# Altium PCB ECO_mthbrd_REV.2A0.PcbDoc
Units mm, origin at the board's own origin, x right, y up, seen from the top; angles counter-clockwise.
Board outline 78 x 25 mm, 4 copper layers (Top Layer, GND, POWER, Bottom Layer), stack 0.603 mm thick; 84 components, 82 nets, 302 pads, 143 vias.
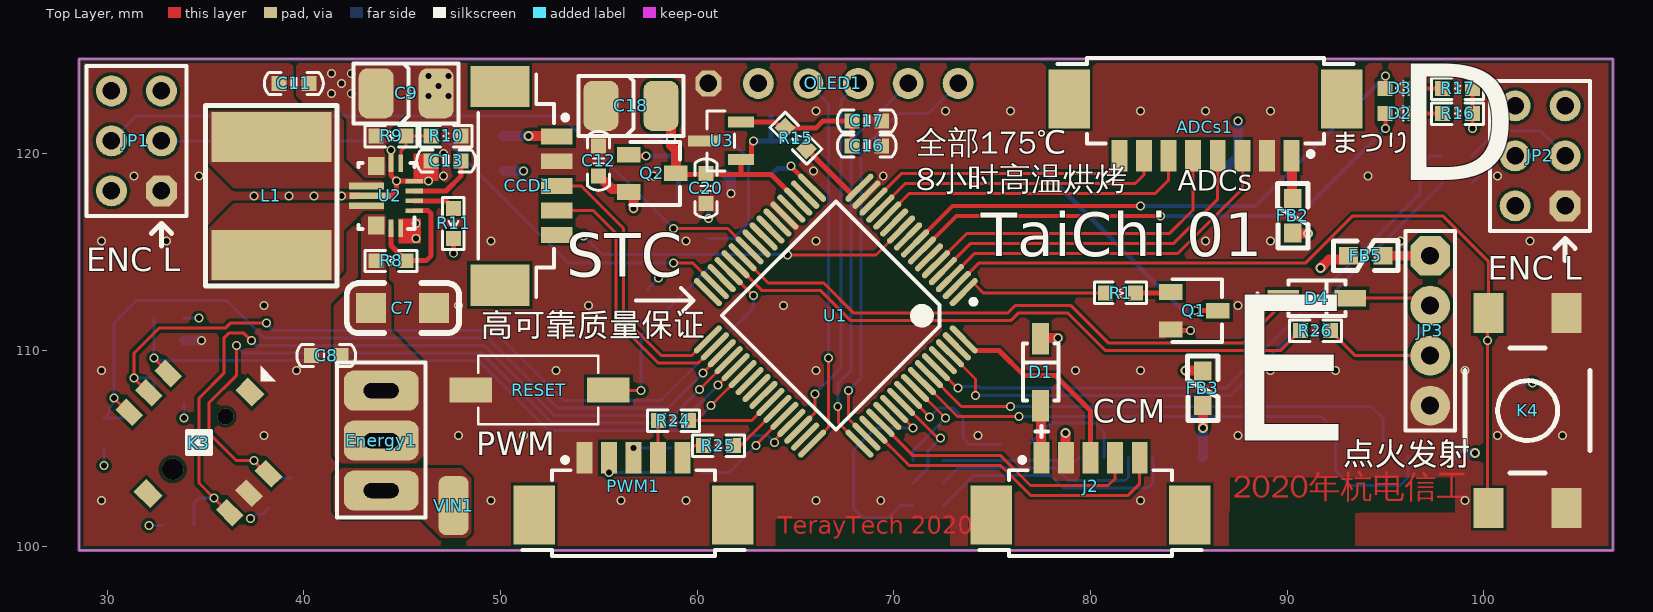
[diagram p0: Top Layer view]
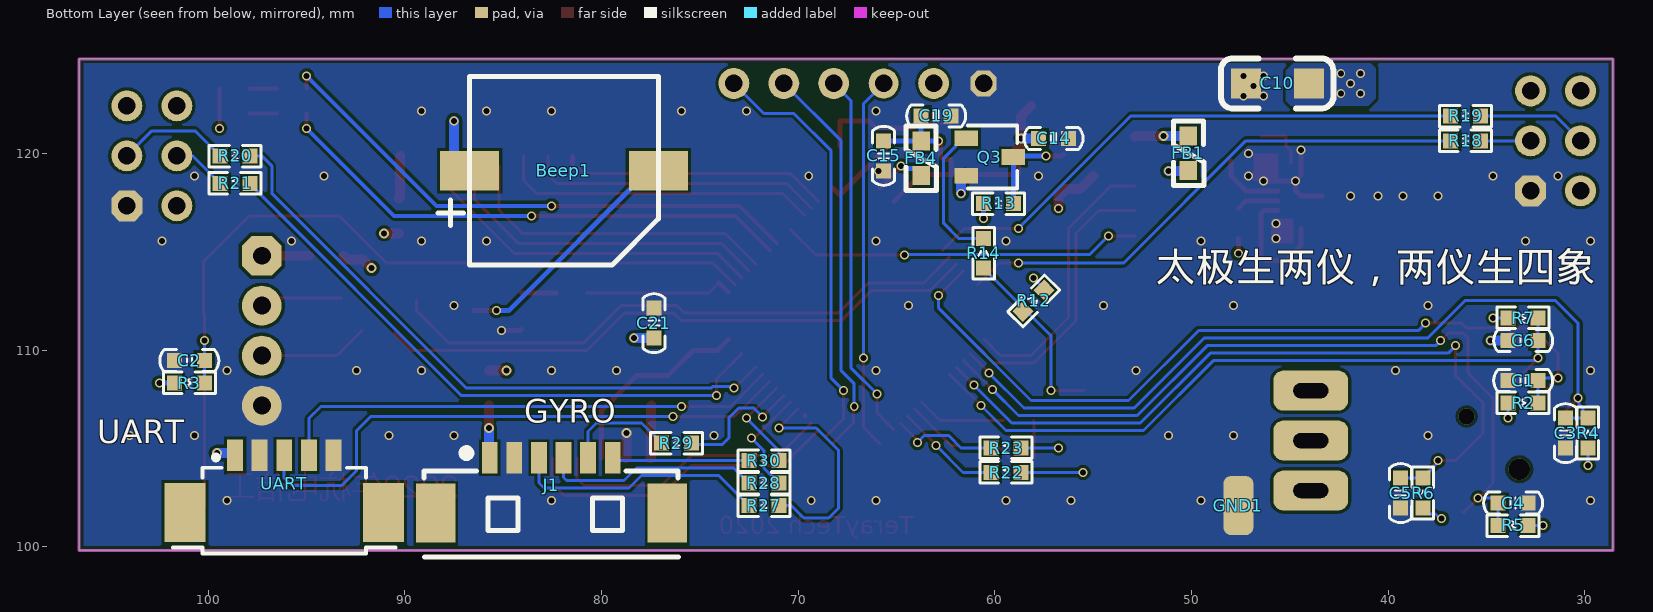
[diagram p1: Bottom Layer view, seen from below]
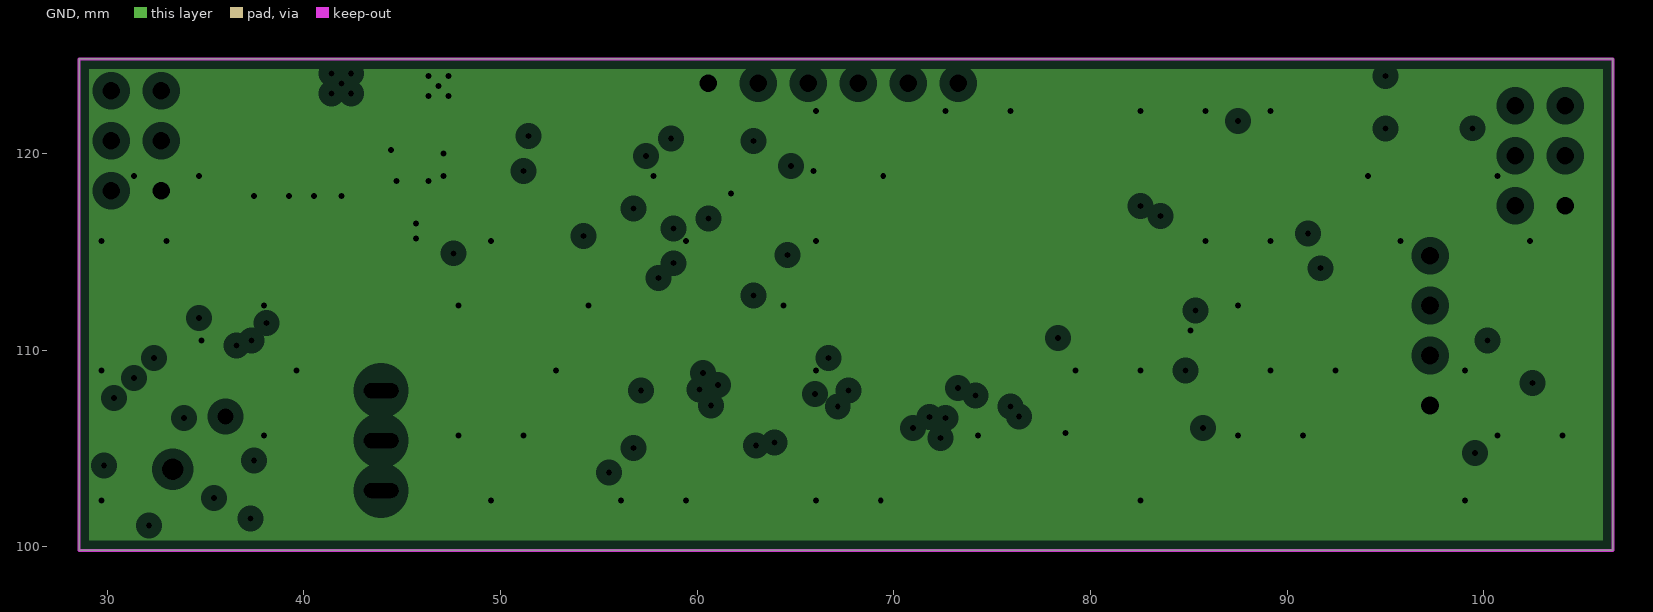
[diagram p2: GND, clearances drawn from the general rule]
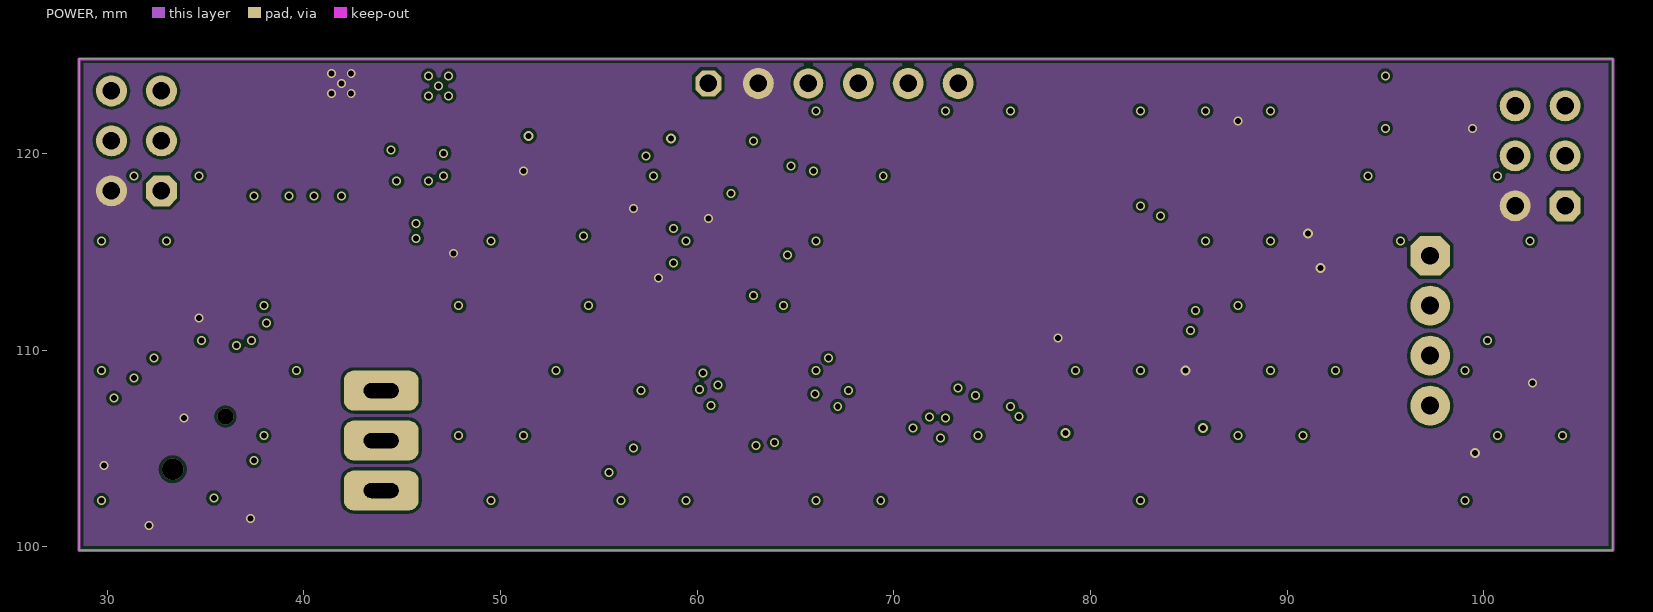
[diagram p3: POWER]
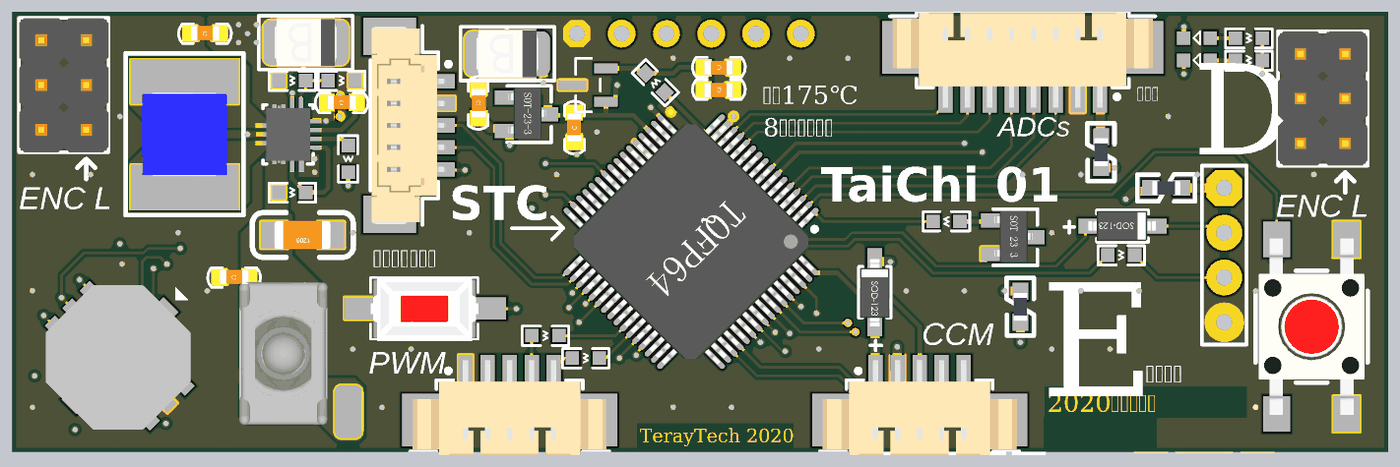
[diagram p4: 3D render of the assembled board from above, using the file's embedded part models]

## Layer stack, top to bottom
Top Solder: solder mask 0.0102, Solder Resist, Dk 3.5
Top Layer: signal copper 0.0356
Dielectric 2: prepreg 0.0711, PP-006, Dk 4.1
GND: plane copper 0.035, net GND
Dielectric 1: dielectric 0.32, FR-4, Dk 4.8
POWER: signal copper 0.035
Dielectric 3: prepreg 0.0711, PP-006, Dk 4.1
Bottom Layer: signal copper 0.0356
Bottom Solder: solder mask 0.0102, Solder Resist, Dk 3.5

## Board outline
28.575,99.822 106.575,99.822 106.575,124.822 28.575,124.822

## Design rules (kind name [scope] priority, off if disabled: settings)
Clearance [All] p1: gap=0.152 ignorepadtopadclearanceinfootprint=TRUE except(0: Arc-Hole Track-Hole SMDPad-Hole THPad-Hole Via-Hole Fill-Hole Poly-Hole Region-Hole Text-Hole)
ComponentClearance [All] p1 off: gap=0.254 collisioncheckmode=3 verticalgap=0.254 showdistances=FALSE
Height [All] p1 off: minheight=0 maxheight=25.4 prefheight=12.7
PlaneClearance [All] p1: clearance=0.508
PlaneConnect [All] p1: planeconnectstyle=Direct reliefexpansion=0.508 reliefentries=4 reliefconductorwidth=0.254 reliefairgap=0.254
PolygonConnect [All] p1: connectstyle=Direct reliefconductorwidth=0.254 reliefentries=4 polygonreliefangle="90 Angle" airgapwidth=0.254
RoutingVias [All] p1: holewidth=0.305 width=0.457 viastyle="Through Hole" minholewidth=0.305 minwidth=0.457 maxholewidth=0.711 maxwidth=1.27
SolderMaskExpansion [All] p1: expansion=0.102 istentingtop=FALSE
Width [All] p1: maxlimit=0.762 minlimit=0.152 preferedwidth=0.254 midlayer1_minwidth=0.254 midlayer1_maxwidth=0.254 minimp=50.000000 maximp=50.000000 favimp=50.000000
26 further rules are at their usual default settings.

## Components (designator, comment, footprint, x,y, rotation, side; value= is the part's Value field where it differs from the comment)
ADCs1 "HEADER-8PIN" HEADER_8P_1.25_RT 85.852,122.682 r180 top
Beep1 "Buzzer" BUZZER_9.6*9.6*5mm 81.915,119.126 r0 bottom
C1 "0.1uF" 0603_C 33.147,108.458 r0 bottom value=104
C2 "0.1uF" 0603_C 100.965,109.474 r0 bottom value=104
C3 "0.1uF" 0603_C 30.988,105.791 r270 bottom value=104
C4 "0.1uF" 0603_C 33.655,102.235 r180 bottom value=104
C5 "0.1uF" 0603_C 39.37,102.743 r270 bottom value=104
C6 "0.1uF" 0603_C 33.147,110.49 r0 bottom value=104
C7 "1uF" C1206 46.634,112.141 r180 top value=104
C8 "1uF" 0603_C 41.148,109.728 r0 top value=104
C9 "22uF" CAPC3528B 45.466,122.809 r180 top value=104
C10 "22uF" C1206 47.244,123.571 r180 bottom value=104
C11 "2.2uF" 0603_C 39.497,123.571 r0 top value=104
C12 "0.01uF" 0603_C 54.991,119.634 r270 top value=104
C13 "100nF" 0603_C 47.244,119.634 r0 top value=104
C14 "2.2uF" 0603_C 57.023,120.777 r180 bottom value=104
C15 "0.01uF" 0603_C 65.659,119.888 r270 bottom value=104
C16 "0.01uF" 0603_C 68.631,120.396 r180 top value=104
C17 "2.2uF" 0603_C 68.631,121.666 r180 top value=104
C18 "10uF, 25V TypeB" CAPC3528B 56.896,122.174 r180 top value=104
C19 "2.2uF" 0603_C 62.992,121.92 r0 bottom value=104
C20 "0.01uF" 0603_C 60.452,118.237 r90 top value=104
C21 "0.1uF" 0603_C 77.343,111.379 r90 bottom value=104
CCD1 "HEADER-5PIN" HEADER_5P_1.25_up 50.8,118.364 r270 top locked
D1 "1N5819" SOD123 77.47,107.188 r270 top
D2 "LED" 0603_LED 95.758,122.047 r180 top
D3 "LED" 0603_LED 95.758,123.317 r180 top
D4 "1N5819" SOD123 89.818,112.649 r180 top
Energy1 "Tolggle_swith" "TOGGLE SWICH STAND" 43.942,105.41 r90 top
FB1 "120R 100MHZ" FB0603 50.165,120.015 r90 bottom
FB2 "120R 100MHZ" FB0603 90.297,116.84 r270 top
FB3 "120R 100MHZ" FB0603 85.725,108.064 r270 top
FB4 "120R 100MHZ" FB0603 63.754,119.761 r90 bottom
FB5 "120R 100MHZ" FB0603 93.993,114.808 r180 top
GND1 "PAD" PAD 47.625,102.108 r90 bottom
J1 "6PIN" "MX 1.25-WS-6P" 82.55,101.727 r180 bottom
J2 "HEADER-5PIN" HEADER_5P_1.25_RT 80.01,101.727 r0 top
JP1 "header" header2X3 32.766,118.11 r90 top
JP2 "header" header2X3 104.14,117.348 r90 top
JP3 "header" header4 97.282,114.808 r270 top
K3 "TSW_5" TSW-10 34.671,105.283 r0 top locked
K4 "KEY" 贴片复位开关 102.235,106.934 r90 top
L1 "1.5uH" "L 5x5" 38.354,117.856 r180 top
OLED1 "header" "0.96寸OLED模块 - 2" 60.579,123.571 r0 top locked
PWM1 "HEADER-5PIN" HEADER_5P_1.25_RT 56.769,101.727 r0 top
Q1 "NPN2" SOT-23-3 86.36,114.221 r270 top
Q2 "AO3401" SOT-23-3 58.801,121.206 r270 top
Q3 "NPN S8050" SOT-23-3 59.195,122.034 r270 bottom
R1 "1K" 0603_R 81.534,112.903 r0 top
R2 "10K" 0603_R 33.147,107.315 r180 bottom value=1K
R3 "10K" 0603_R 100.965,108.331 r180 bottom value=1K
R4 "10K" 0603_R 29.845,105.791 r90 bottom value=1K
R5 "10K" 0603_R 33.655,101.092 r0 bottom value=1K
R6 "10K" 0603_R 38.227,102.743 r90 bottom value=1K
R7 "10K" 0603_R 33.147,111.633 r180 bottom value=1K
R8 "10KΩ" 0603_R 44.45,114.554 r180 top value=1K
R9 "470kΩ" 0603_R 44.45,120.904 r180 top value=1K
R10 "150kΩ" 0603_R 47.244,120.904 r180 top value=1K
R11 "100KΩ" 0603_R 47.625,116.459 r90 top value=1K
R12 "10K" 0603_R 58.039,112.522 r315 bottom value=1K
R13 "10K" 0603_R 59.817,117.475 r0 bottom value=1K
R14 "1K" 0603_R 60.579,114.935 r270 bottom
R15 "OR" 0603_R 65.024,120.777 r315 top value=1K
R16 "1K" 0603_R 98.679,122.047 r180 top
R17 "1K" 0603_R 98.679,123.317 r180 top
R18 "100" 0603_R 36.068,120.65 r180 bottom value=1K
R19 "100" 0603_R 36.068,121.92 r0 bottom value=1K
R20 "100" 0603_R 98.639,119.888 r0 bottom value=1K
R21 "100" 0603_R 98.639,118.491 r180 bottom value=1K
R22 "100" 0603_R 59.436,103.784 r180 bottom value=1K
R23 "100" 0603_R 59.436,105.029 r180 bottom value=1K
R24 "100" 0603_R 58.801,106.426 r180 top value=1K
R25 "100" 0603_R 61.087,105.156 r180 top value=1K
R26 "330" 0603_R 91.44,110.998 r180 top value=1K
R27 "100" 0603_R 71.755,102.108 r0 bottom value=1K
R28 "100" 0603_R 71.755,103.251 r0 bottom value=1K
R29 "100" 0603_R 76.2,105.283 r0 bottom value=1K
R30 "100" 0603_R 71.755,104.394 r0 bottom value=1K
RESET "KEY" KEY_2 52.197,107.569 r180 top
U1 "STC8A8K64S4A12" TQFP64 67.056,111.76 r225 top locked
U2 "TPS63070RNMR" RNM0015A 44.213,117.853 r180 top value=Value
U3 "REF3033" DBZ3 61.214,120.65 r90 top value=Value
UART "HEADER-5PIN" HEADER_5P_1.25_RT 96.139,101.854 r180 bottom
VIN1 "PAD" PAD 47.625,102.108 r90 top

## Footprints (in the part's own frame and the unit in brackets; to place one, negate y for a bottom-side part, rotate by r counter-clockwise, add the part's x,y. Pads: shape width x height; smd on the part's side, far side on the other; paste and mask are expansions set on the pad)
"0.96寸OLED模块 - 2" [mil]
  oct 52x52 hole 35: 1(0,0)
  round 62 hole 35: 2(100,0) 4(300,0) 5(400,0) 6(500,0)
  round 60 hole 35: 3(200,0)
0603_C [mil] "Capacitor"
  rect 30x30 smd: 1(-30,0) 2(30,0)
  silkscreen extent -59,-22 59,22, body extent -51,-18 52,21, height 35
0603_LED [mil]
  rect 30x30 smd: 1(-29,0) 2(31,0)
  silkscreen extent -6,-15 9,14, body extent -31,-16 31,16, height 24
0603_R [mil]
  rect 30x30 smd: 1(-30,0) 2(30,0)
  silkscreen extent -52,-21 52,22, body extent -34,-19 34,19, height 39
BUZZER_9.6*9.6*5mm [mm]
  rect 3x2 smd: 1(4.8,0) 2(-4.8,0)
  silkscreen extent -4.8,-4.8 6.41,4.8, body extent -4.97,-4.8 5.03,4.8, height 5
C1206 [mil] "3216/A型"
  rect 60x60 smd: 1(0,0) 2(126,0)
  silkscreen extent -50,-50 175,50, body extent 0,-31 126,32, height 39
CAPC3528B [mil]
  rrect50% 70x100 smd: 1(-50,-10) 2(70,-10)
  silkscreen extent -95,-70 115,50, body extent -59,-65 79,45, height 75
DBZ3 [mil]
  rect 22x52 smd: 1(-37.4,-40) 2(37.4,-40)
  rect 22x62.5 smd: 3(0,34.75)
  silkscreen extent -60,-28 60,28, body extent -57,-49 58,50, height 48
FB0603 [mil] "1/10W"
  rect 38x35 smd: 1(-34.5,0) 2(34.5,0)
  silkscreen extent -64,-31 64,30, body extent -31,-16 32,16, height 31
header2X3 [mil]
  oct 62x62 hole 35: 1(0,0)
  round 62 hole 35: 2(0,100) 3(100,0) 4(100,100) 5(200,0) 6(200,100)
  silkscreen extent -50,-50 250,150, body extent -50,-50 250,150, height 398
header4 [mil]
  oct 80x80 hole 36: 1(0,0)
  round 80 hole 36: 2(100,0) 3(200,0) 4(300,0)
  silkscreen extent -50,-50 350,50
HEADER_5P_1.25_RT [mm]
  rect 0.81x1.6 smd: 1(-2.5,2.8) 2(-1.25,2.8) 3(0,2.8) 4(1.25,2.8) 5(2.5,2.8)
  rect 2.1x3 smd: MP1(-5.05,-0.1) MP2(5.05,-0.1)
  silkscreen extent -5.65,-2.17 5.65,2.82, body extent -5.5,-2.1 5.5,3.3, height 3.4
HEADER_5P_1.25_up [mm]
  rect 0.81x1.6 smd: 1(-2.5,2.07) 2(-1.25,2.07) 3(0,2.07) 4(1.25,2.07) 5(2.5,2.07)
  rect 2.1x3 smd: g(-5.05,-0.83) MP2(5.05,-0.83)
  silkscreen extent -5.65,-1.92 5.65,2.62, body extent -5.6,-1.85 5.6,2.36, height 4.74
HEADER_8P_1.25_RT [mm]
  rect 0.81x1.6 smd: 1(-4.375,2.8) 2(-3.125,2.8) 3(-1.875,2.8) 4(-0.625,2.8) 5(0.625,2.8) 6(1.875,2.8) 7(3.125,2.8) 8(4.375,2.8)
  rect 2.1x3 smd: MP1(-6.925,-0.1) MP2(6.925,-0.1)
  silkscreen extent -7.53,-2.17 7.53,2.82, body extent -7.38,-2.1 7.38,3.3, height 3.4
KEY_2 [mm] "贴片"
  rect 2.159x1.254 smd: 1(-3.291,-0.41) 2(3.709,-0.41)
  silkscreen extent -2.78,-2.16 3.31,1.34, body extent -2.8,-2.23 3.3,1.47
"L 5x5" [mm]
  rect 6.096x2.54 smd: 1(0,3) 2(0,-3)
  silkscreen extent -3.33,-4.6 3.35,4.6, body extent -2.39,-2.4 2.41,2.4, height 2.8
"MX 1.25-WS-6P" [mm] "长：12.65mm，宽：4.2mm，高：3.4mm"
  rect 2x3 smd: 0(-5.882,0) 0(5.882,0)
  rect 0.8x1.6 smd: 1(-3.139,2.811) 2(-1.889,2.811) 3(-0.639,2.811) 4(0.611,2.811) 5(1.861,2.811) 6(3.111,2.811)
  silkscreen extent -6.48,-2.23 6.45,3.25, body extent -6.32,-2.1 6.32,3.09, height 3.4
PAD [mm]
  rrect50% 3x1.524 smd: 1(0,0)
RNM0015A [mm]
  rect 0.889x0.24 smd paste+0 mask+0.051: 1(-1.397,0.75) 2(-1.397,0.25) 3(-1.397,-0.25) 4(-1.397,-0.75)
  rect 0.24x0.889 smd paste+0 mask+0.051: 5(-0.725,-1.651) 6(-0.225,-1.651) 14(-0.225,1.651) 15(-0.725,1.651)
  rect 0.85x0.7 smd paste-0.35 mask-0.356: 7(0.525,-1.4) 12(0.525,1.4)
  rect 0.85x0.889 smd paste-0.35 mask-0.356: 8(0.525,-1.524) 13(0.525,1.524)
  rect 1.778x0.35 smd paste-0.712 mask-0.051: 9(1.016,-0.5) 11(1.016,0.5)
  rect 2.083x0.343 smd paste-0.887 mask-0.051: 10(0.838,0)
  silkscreen extent -1.43,-1.67 1.43,1.68, body extent -1.25,-1.5 1.25,1.5, height 1.1
SOD123 [mm] "1206"
  rect 1.6x0.85 smd: 1(0,0) 2(-3.4,0)
  silkscreen extent -3.15,-0.9 1.6,0.9, body extent -3.6,-0.85 0.25,0.85, height 1.42
SOT-23-3 [mm]
  rect 0.8x1.2 smd: 1(1.257,-2.273) 2(3.157,-2.273) 3(2.207,0.127)
  silkscreen extent 0.61,-2.17 3.81,0.33, body extent 0.71,-2.42 3.61,0.38
"TOGGLE SWICH STAND" [mil]
  rrect50% 80x150 hole 30 slot 70 at 90 deg: 1(-100,0) 2(0,0) 3(100,0)
  silkscreen extent -154,-89 156,88, body extent -159,-98 159,98, height 780
TQFP64 [mm]
  oval 1.9x0.3 smd: 1(-5.45,3.75) 2(-5.45,3.25) 3(-5.45,2.75) 4(-5.45,2.25) 5(-5.45,1.75) 6(-5.45,1.25) 7(-5.45,0.75) 8(-5.45,0.25) 9(-5.45,-0.25) 10(-5.45,-0.75) 11(-5.45,-1.25) 12(-5.45,-1.75) 13(-5.45,-2.25) 14(-5.45,-2.75) 15(-5.45,-3.25) 16(-5.45,-3.75) 33(5.45,-3.75) 34(5.45,-3.25) 35(5.45,-2.75) 36(5.45,-2.25) 37(5.45,-1.75) 38(5.45,-1.25) 39(5.45,-0.75) 40(5.45,-0.25) 41(5.45,0.25) 42(5.45,0.75) 43(5.45,1.25) 44(5.45,1.75) 45(5.45,2.25) 46(5.45,2.75) 47(5.45,3.25) 48(5.45,3.75)
  oval 0.3x1.9 smd: 17(-3.75,-5.45) 18(-3.25,-5.45) 19(-2.75,-5.45) 20(-2.25,-5.45) 21(-1.75,-5.45) 22(-1.25,-5.45) 23(-0.75,-5.45) 24(-0.25,-5.45) 25(0.25,-5.45) 26(0.75,-5.45) 27(1.25,-5.45) 28(1.75,-5.45) 29(2.25,-5.45) 30(2.75,-5.45) 31(3.25,-5.45) 32(3.75,-5.45) 49(3.75,5.45) 50(3.25,5.45) 51(2.75,5.45) 52(2.25,5.45) 53(1.75,5.45) 54(1.25,5.45) 55(0.75,5.45) 56(0.25,5.45) 57(-0.25,5.45) 58(-0.75,5.45) 59(-1.25,5.45) 60(-1.75,5.45) 61(-2.25,5.45) 62(-2.75,5.45) 63(-3.25,5.45) 64(-3.75,5.45)
  silkscreen extent -5.57,-4.1 4.1,4.57, body extent -6,-6.01 6,5.99, height 1
TSW-10 [mm]
  rect 1.2x0.9 smd rot 135: 0(-2.575,-2.575) 0(2.587,2.587)
  rect 1.2x0.8 smd rot 135: 1(-1.56,3.54) 2(-2.55,2.55) 3(-3.54,1.56) 4(1.56,-3.54) 5(2.55,-2.55) 6(3.54,-1.56)
  silkscreen extent -0.64,-0.57 3.92,3.92, body extent -5.6,-5.61 5.43,5.42, height 4.5
贴片复位开关 [mil]
  rect 80x60 smd: 1(-195,78) 1(195,78) 2(-195,-78) 2(195,-78)
  silkscreen extent -125,-125 125,125, body extent -197,-118 197,118, height 175

## Part data
C1 C2 C3 C4 C5 C6 C7 C8 C10 C11 C12 C13 C14 C15 C16 C17 C19 C20 C21: library part CAP, "Capacitor", LatestRevisionDate=17-Jul-2002, LatestRevisionNote="Re-released for DXP Platform.", PackageReference=RAD-0.3, Published=8-Jun-2000, Publisher="Altium Limited"
C9 C18: library part CAP_tan, "Capacitor", LatestRevisionDate=17-Jul-2002, LatestRevisionNote="Re-released for DXP Platform.", PackageReference=RAD-0.3, Published=8-Jun-2000, Publisher="Altium Limited"
D1 D4: "40V 1A PEAK 25a"
D2 D3: "LED 发光二极管"
FB1 FB2 FB3 FB4 FB5: library part FB, "120OHM@100MHZ 2A 25% 0603"
J1: library part HEADER-6PIN
JP1 JP2: library part "HEADER 3X2"
JP3: library part "HEADER 4"
K3: "方向开关"
K4 RESET: library part KEY_2, "Switch", LatestRevisionDate=17-Jul-2002, LatestRevisionNote="Re-released for DXP Platform.", PackageReference=SPST-2, Published=24-Mar-1999, Publisher="Altium Limited"
L1: library part Inductor
OLED1: library part "HEADER 6"
Q1: "贴片"
Q2: library part p-MOSEFT_SMALL
Q3: library part NPN2, "贴片"
R1: library part RES, "Resistor", Published=8-Jun-2000, Publisher="Altium Limited", Revision="July-2002: Re-released for DXP Platform."
R2 R3 R4 R5 R6 R7 R8 R9 R10 R11 R12 R13 R14 R15 R16 R17 R18 R19 R20 R21 R22 R23 R24 R25 R26 R27 R28 R29 R30: library part RES0, "Resistor", Published=8-Jun-2000, Publisher="Altium Limited", Revision="July-2002: Re-released for DXP Platform."
U1: library part STC8A8K64S4A12_LQFP64
U2: "Imported", Manufacturer="Texas Instruments", PartNumber=TPS63070RNMR, RefDes=RefDes, Type=TYPE
U3: library part REF3033_DBZ_3, "Imported", Manufacturer="Texas Instruments", Manufacturer_Part_Number=ref3033_dbz_3, PACKAGE_DESIGNATOR=DBZ, Datasheet URL=http://www.ti.com/lit/gpn/REF3033, FAMILY_NAME="SERIES VOLTAGE REFERENCE", GENERIC_PART_NUMBER=REF3033, INDUSTRY_STD_PKG_TYPE=SOT-23, PIN_COUNT=3, RefDes=RefDes, Type=DEV, Vendor="Texas Instruments"

## Via types
v1: diameter 0.457, hole 0.305, Top Layer to Bottom Layer, tented both sides, 125 vias
v2: diameter 0.457, hole 0.305, Top Layer to Bottom Layer, 8 vias
v3: diameter 0.508, hole 0.305, Top Layer to Bottom Layer, tented both sides, 8 vias
v4: diameter 1.1, hole 1.1, Top Layer to Bottom Layer, tented both sides, 1 vias
v5: diameter 0.8, hole 0.8, Top Layer to Bottom Layer, tented both sides, 1 vias

## Nets (pads, with @x,y where several pads share a name; then routed paths per layer and width w, separated by ;. In a path a pad name is that pad's centre, name@x,y a point inside that pad or via, vN(x,y) a via of type N, cw(c..) or ccw(c..) an arc to the next point about the centre after c; other vN are vias at no path point)
ADC_CH1: ADCs1.3 U1.3 | length 18.4
  Top Layer w0.152: U1.3 74.12,114.935 84.455,114.935 87.727,118.207 ADCs1.3
ADC_CH2: ADCs1.4 U1.4 | length 17.7
  Top Layer w0.152: U1.4 73.921,115.443 84.245,115.443 86.477,117.675 ADCs1.4
ADC_CH3: ADCs1.5 U1.5 | length 16.5
  Top Layer w0.152: U1.5 73.722,115.951 84.034,115.951 85.217,117.134 ADCs1.5@85.217,119.38
ADC_CH4: ADCs1.6 U1.12 | length 16.3
  Top Layer w0.152: U1.12 70.804,117.983 83.312,117.983 83.977,118.648 ADCs1.6
ADC_CH5: ADCs1.7 U1.13 | length 15.1
  Top Layer w0.152: U1.13 70.605,118.491 82.296,118.491 82.727,118.922 ADCs1.7
ADC_CH6: ADCs1.8 U1.14 | length 13.3
  Top Layer w0.152: U1.14 70.406,118.999 80.899,118.999 ADCs1.8@81.153,119.253
  Top Layer w0.254: ADCs1.8@81.477,119.487 ADCs1.8
BEEP: R1.1 U1.1 | length 7.6
  Top Layer w0.152: U1.1@74.052,113.423 74.572,112.903 R1.1
  Top Layer w0.254: U1.1 74.022,113.423 U1.1@74.052,113.423
CCD_AN1: CCD1.5 U1.10 | length 18.5
  Top Layer w0.152: CCD1.5 52.91,115.824 v1(54.229,115.824) ; v1(64.605,114.846) 69.104,114.846 70.379,116.122 U1.10
  Bottom Layer w0.152: v1(54.229,115.824) 55.169,114.884 64.567,114.884 v1(64.605,114.846)
CCD_CLK: CCD1.3 U1.33 | length 14.3
  Top Layer w0.152: CCD1.3 54.102,118.364 56.261,116.205 56.261,111.664 58.197,109.728 59.721,109.728 U1.33
CCD_SI: CCD1.4 U1.34 | length 14.2
  Top Layer w0.152: CCD1.4 54.717,117.114 55.88,115.951 55.88,111.506 58.039,109.347 60.047,109.347 U1.34
CHG_PWM: J2.3 U1.64 | length 10.4
  Top Layer w0.254: U1.64 74.127,109.992 75.355,109.992 76.635,108.712 78.232,108.712 80.01,106.934 J2.3
ENC_DIR1: R19.2 U1.26 | length 28.7
  Top Layer w0.152: v1(58.801,116.205) 61.55,116.205 U1.26
  Bottom Layer w0.152: R19.2 53.086,121.92 v1(58.801,116.205)
ENC_DIR2: R21.2 U1.62 | length 30.9
  Top Layer w0.152: U1.62 74.163,108.542 74.163,107.696 v1(74.168,107.696)
  Bottom Layer w0.152: v1(74.168,107.696) 87.122,107.696 R21.2@97.897,118.471
ENC_LSB1: R18.1 U1.31 | length 27.1
  Top Layer w0.152: v1(58.801,114.427) 59.793,114.427 U1.31
  Bottom Layer w0.152: R18.1 47.244,120.65 53.467,114.427 v1(58.801,114.427)
ENC_LSB2: R20.1 U1.60 | length 31.9
  Top Layer w0.152: U1.60 72.18,109.144 73.246,108.077 v1(73.279,108.077)
  Bottom Layer w0.152: v1(73.279,108.077) 73.355,108.153 74.357,108.153 74.434,108.077 86.868,108.077 96.774,117.983 96.774,119.38 97.282,119.888 R20.1
FLASH_SPI_CS: U1.53 | length 0
  Top Layer w0.254: U1.53 U1.53@69.672,106.681
GND: ADCs1.2 C1.2 C2.2 C3.2 C4.2 C5.2 C6.2 C7.1 C8.1 C9.1 C10.1 C11.1 C12.1 C13.1 C14.2 C15.2 C16.1 C17.1 C18.2 C19.1 C20.1 C21.2 CCD1.2 GND1.1 J1.2 J2.2 JP1.1 JP2.1 JP3.4 K3.5 K4.2 OLED1.1 PWM1.1 Q1.2 Q3.2 R10.1 RESET.2 U1.15 U1.21 U2.4 U2.6 U2.10 U2.15 U3.3 UART.2 UART.5 | length 10.6
  Top Layer w0.254: U2.10 43.378,117.856 44.45,117.856 44.719,118.125 v1(44.719,118.603) ; v1(44.45,120.193) 44.444,120.187 44.444,119.51 U2.6 44.445,119.497 44.445,118.877 v1(44.719,118.603) ; C13.1@46.228,119.634 46.355,119.507 v1(46.355,118.618) 46.347,118.61 45.617,118.61 U2.4 v1(44.719,118.603) ; Q1.2 84.153,110.998 v1(85.09,110.998)
  Top Layer w0.508: v3(78.74,105.791) 78.74,104.547 J2.2
  Bottom Layer w0.508: C6.2 v1(34.798,110.49) ; Q3.2 61.576,118.877 61.722,118.731 v1(61.722,117.983)
  other v1: 29.718,102.362 49.53,102.362 56.134,102.362 59.436,102.362 66.04,102.362 69.342,102.362 82.55,102.362 99.06,102.362 37.973,105.664 47.879,105.664 51.181,105.664 74.295,105.664 87.503,105.664 90.805,105.664 100.711,105.664 104.013,105.664 29.718,108.966 39.624,108.966 52.832,108.966 66.04,108.966 79.248,108.966 82.55,108.966 89.154,108.966 92.456,108.966 99.06,108.966 37.973,112.268 47.879,112.268 54.483,112.268 64.389,112.268 87.503,112.268 29.718,115.57 33.02,115.57 49.53,115.57 59.436,115.57 66.04,115.57 85.852,115.57 89.154,115.57 95.758,115.57 102.362,115.57 45.72,115.697 45.72,116.459 37.465,117.856 39.243,117.856 40.513,117.856 41.91,117.856 31.369,118.872 34.671,118.872 57.785,118.872 94.107,118.872 100.711,118.872 66.04,122.174 72.644,122.174 75.946,122.174 82.55,122.174 85.852,122.174 89.154,122.174 46.355,122.936 47.371,122.936 46.863,123.444 46.355,123.952 47.371,123.952
  other v2: 47.117,118.872 69.469,118.872 65.913,119.126 47.117,120.015
GYRO_MISO: R29.1 U1.56 | length 6.8
  Top Layer w0.152: U1.56@70.719,107.729 U1.56 70.733,107.71 71.813,106.63 v1(71.813,106.611)
  Bottom Layer w0.152: v1(71.813,106.611) 72.263,107.061 73.025,107.061 73.533,106.553 73.533,105.537 73.863,105.207 75.362,105.207 R29.1
GYRO_MOSI: R28.1 U1.55 | length 5.6
  Top Layer w0.152: U1.55 70.402,107.376 71.86,105.918 72.241,105.537 v1(72.39,105.537)
  Bottom Layer w0.152: R28.1 71.755,104.013 71.755,104.902 v1(72.39,105.537)
GYRO_SCL: R30.1 U1.57 | length 5
  Top Layer w0.152: U1.57 71.1,108.083 72.63,106.553 v1(72.644,106.553)
  Bottom Layer w0.152: R30.1 70.993,104.902 v1(72.644,106.553)
GYRO_SS: R27.1 U1.54 | length 11.3
  Top Layer w0.152: U1.54 70.026,107.017 70.998,106.045 v1(70.993,106.045)
  Bottom Layer w0.152: R27.1 70.358,102.108 69.723,101.473 68.453,101.473 67.945,101.981 67.945,104.902 69.088,106.045 v1(70.993,106.045)
KEY1: C1.1 K3.2 R2.2 U1.29 | length 42.7
  Top Layer w0.152: K3.2 v1(31.369,108.585) 31.369,109.855 32.639,111.125 36.018,111.125 36.272,111.379 v1(38.1,111.379) ; U1.29 61.615,114.023 62.862,112.776 v1(62.865,112.776)
  Bottom Layer w0.152: v1(31.369,108.585) 32.258,108.585 C1.1 R2.2 ; v1(38.1,111.379) 38.481,110.998 49.657,110.998 53.213,107.442 58.166,107.442 62.865,112.141 v1(62.865,112.776)
KEY2: C2.1 K4.1 R3.2 U1.2 | length 44.2
  Top Layer w0.152: U1.2 74.319,114.427 90.932,114.427 93.345,116.84 97.917,116.84 100.254,114.503 100.254,111.887 100.203,111.836 v1(100.203,110.49) 100.203,102.032 K4.1@100.254,101.981
  Bottom Layer w0.152: R3.2 C2.1 v1(100.203,110.49)
KEY3: C3.1 K3.3 R4.2 U1.35 | length 42.1
  Top Layer w0.152: v1(30.353,107.569) 31.079,106.843 K3.3 ; v1(60.316,108.848) 60.316,108.869 61.258,109.811 U1.35
  Bottom Layer w0.152: C3.1 R4.2 30.108,106.816 30.108,107.07 30.309,107.271 30.309,107.525 v1(30.353,107.569) 30.353,111.379 31.496,112.522 36.103,112.522 38.008,110.617 49.368,110.617 52.924,107.061 58.528,107.061 v1(60.316,108.848)
KEY4: C4.1 K3.4 R5.2 U1.36 | length 41
  Top Layer w0.152: K3.4 36.179,101.743 v1(35.433,102.489) 34.671,103.251 34.671,107.569 35.941,108.839 35.941,110.617 36.195,110.871 36.957,110.871 v1(37.338,110.49) ; v1(60.135,108.013) 60.325,108.204 60.325,108.211 U1.36
  Bottom Layer w0.152: R5.2 C4.1 34.671,102.489 v1(35.433,102.489) ; v1(37.338,110.49) 37.592,110.236 49.211,110.236 52.767,106.68 58.801,106.68 v1(60.135,108.013)
KEY5: C5.1 K3.6 R6.2 U1.37 | length 39.3
  Top Layer w0.152: v1(36.576,110.236) 36.576,108.712 35.179,107.315 35.179,105.791 36.576,104.394 v1(37.465,104.394) 38.136,103.723 K3.6 ; v1(61.075,108.231) 61.075,108.242 61.965,109.132 U1.37
  Bottom Layer w0.152: v1(36.576,110.236) 36.957,109.855 49.053,109.855 52.609,106.299 59.143,106.299 v1(61.075,108.231) ; v1(37.465,104.394) 37.523,104.336 37.523,104.24 37.922,103.842 37.922,103.81 R6.2 ; R6.2@38.354,103.505 C5.1
KEY6: C6.1 K3.1 R7.2 U1.38 | length 35.8
  Top Layer w0.152: v1(32.385,109.601) 33.111,108.875 K3.1 ; v1(60.706,107.188) 60.716,107.188 U1.38
  Bottom Layer w0.152: R7.2 C6.1 v1(32.385,109.601) 32.467,109.601 32.594,109.474 48.895,109.474 52.451,105.918 59.436,105.918 v1(60.706,107.188)
MR_EN1: R24.1 U1.42 | length 4.6
  Top Layer w0.152: R24.1 62.783,106.426 U1.42
MR_EN2: R25.1 U1.43 | length 3
  Top Layer w0.152: R25.1 62.22,105.156 U1.43
MR_PWM1: R22.1 U1.44 | length 5.5
  Top Layer w0.152: v1(62.992,105.156) 62.992,105.189 64.44,106.636 U1.44
  Bottom Layer w0.152: R22.1 61.62,103.784 v1(62.992,105.156)
MR_PWM2: R23.1 U1.45 | length 5.5
  Top Layer w0.152: v1(63.944,105.315) 64.002,105.373 64.002,105.484 64.793,106.275 U1.45
  Bottom Layer w0.152: R23.1 61.722,105.029 62.357,105.664 63.595,105.664 v1(63.944,105.315)
NetADCs1_1: ADCs1.1 FB2.1 | length 2.2
  Top Layer w0.508: ADCs1.1 90.262,119.847 90.262,117.751 FB2.1
NetBeep1_2: Beep1.2 Q1.3 | length 12.3
  Top Layer w0.254: v1(85.344,112.014) Q1.3
  Bottom Layer w0.254: Beep1.2 77.615,119.126 84.727,112.014 v1(85.344,112.014)
NetC13_2: C13.2 U2.3 | length 3.5
  Top Layer w0.254: U2.3 47.237,118.103 48.006,118.872 C13.2
NetC16_2: C16.2 C17.2 R15.1 U3.2 | length 7.4
  Top Layer w0.152: R15.1@64.054,121.316 64.27,121.316 R15.1
  Top Layer w0.254: U3.2 63.985,121.6 R15.1@64.27,121.316 ; R15.1 66.055,121.316 66.405,121.666 C17.2 C16.2
NetCCD1_1: CCD1.1 FB1.2 | length 2.7
  Top Layer w0.508: v3(51.435,120.904) 52.83,120.904 CCD1.1
  Bottom Layer w0.508: FB1.2 51.422,120.891 v3(51.435,120.904)
NetD1_1: D1.1 J2.1 | length 2.7
  Top Layer w0.508: D1.1 77.49,107.168 77.49,104.547 J2.1
NetD2_1: D2.1 R16.2 | length 1.4
  Top Layer w0.203: D2.1 R16.2
NetD2_2: D2.2 U1.7 | length 26.9
  Top Layer w0.203: U1.7 73.197,116.84 v1(83.566,116.84) ; D2.2 94.996,122.022 v1(94.996,121.285)
  Bottom Layer w0.203: v1(83.566,116.84) 90.551,116.84 v1(94.996,121.285)
NetD3_1: D3.1 R17.2 | length 1.4
  Top Layer w0.203: D3.1 R17.2
NetD3_2: D3.2 U1.8 | length 28.1
  Top Layer w0.203: U1.8 72.998,117.348 v1(82.55,117.348) ; D3.2 94.996,123.342 v1(94.996,123.952)
  Bottom Layer w0.203: v1(82.55,117.348) 88.392,117.348 v1(94.996,123.952)
NetD4_1: D4.1 U1.27 | length 30.4
  Top Layer w0.152: U1.27 63.637,113.411 66.452,113.411 67.976,111.887 75.788,111.887 76.169,112.268 79.025,112.268 80.93,110.363 87.757,110.363 89.408,112.014 D4.1@89.408,112.522
NetFB3_2: FB3.2 J1.1 | length 2.7
  Top Layer w0.508: v3(85.725,106.045) FB3.2
  Bottom Layer w0.508: J1.1 85.725,104.574 v3(85.725,106.045)
NetFB4_1: FB4.1 U1.17 | length 2.8
  Top Layer w0.254: v1(64.77,119.38) 64.77,119.362 65.854,118.278 U1.17
  Bottom Layer w0.254: FB4.1 63.754,118.923 64.072,119.24 64.575,119.24 64.715,119.38 v1(64.77,119.38)
NetFB5_1: FB5.1 JP3.1 | length 2.4
  Top Layer w0.508: FB5.1 JP3.1
NetJ1_3: J1.3 R27.2 | length 13
  Bottom Layer w0.152: R27.2 74.041,103.632 77.978,103.632 78.613,102.997 82.931,102.997 83.189,103.255 J1.3
NetJ1_4: J1.4 R28.2 | length 11.1
  Bottom Layer w0.152: R28.2 73.279,104.013 78.232,104.013 78.867,103.378 81.788,103.378 81.939,103.529 J1.4
NetJ1_5: J1.5 R29.2 | length 5.7
  Bottom Layer w0.152: R29.2 77.978,106.299 80.264,106.299 80.689,105.874 J1.5
NetJ1_6: J1.6 R30.2 | length 7
  Bottom Layer w0.152: R30.2 79.295,104.394 J1.6
NetJP1_3: JP1.3 R18.2 | length 2.5
  Bottom Layer w0.152: JP1.3 R18.2
NetJP1_4: JP1.4 R19.1 | length 5.6
  Bottom Layer w0.152: JP1.4 31.496,121.92 R19.1
NetJP2_3: JP2.3 R20.2 | length 5.8
  Bottom Layer w0.152: R20.2 100.671,121.158 102.87,121.158 JP2.3
NetJP2_4: JP2.4 R21.1 | length 2.8
  Bottom Layer w0.152: R21.1 100.798,119.888 JP2.4
NetL1_1: L1.1 U2.11
NetL1_2: L1.2 U2.9
NetPWM1_2: PWM1.2 R22.2 | length 3.1
  Bottom Layer w0.152: v2(55.524,103.784) R22.2
NetPWM1_3: PWM1.3 R23.2 | length 1.9
  Bottom Layer w0.152: v2(56.769,105.029) R23.2
NetPWM1_4: PWM1.4 R24.2 | length 1.9
  Top Layer w0.152: PWM1.4 58.019,106.406 R24.2
NetPWM1_5: PWM1.5 R25.2 | length 1.3
  Top Layer w0.152: PWM1.5 59.898,105.156 R25.2
NetQ1_1: Q1.1 R1.2 | length 1.8
  Top Layer w0.254: R1.2 Q1.1@84.087,112.903
NetQ2_1: Q2.1 Q3.3 R13.1 | length 4.9
  Top Layer w0.254: Q2.1 56.589,119.888 v1(57.404,119.888)
  Bottom Layer w0.254: v1(57.404,119.888) 59.007,119.888 Q3.3 59.055,119.814 R13.1
NetQ3_1: Q3.1 R14.1 | length 7.3
  Bottom Layer w0.152: R14.1 61.849,115.697 62.611,116.459 62.611,119.761 61.992,120.38 61.992,120.453 61.668,120.777 Q3.1
NetR8_1: R8.1 U2.1 U2.14 | length 6.4
  Top Layer w0.254: U2.14 44.438,115.328 R8.1 46.228,114.554 46.482,114.808 46.482,116.954 46.333,117.103 U2.1
NetR9_1: R9.1 R10.2 U2.5 | length 2.8
  Top Layer w0.152: U2.5 44.938,120.122 45.212,120.396 R9.1 R10.2
NetR11_2: R11.2 U2.2 | length 2.2
  Top Layer w0.254: U2.2 47.243,117.603 R11.2
NetR26_2: R26.2 U1.28 | length 31.1
  Top Layer w0.152: U1.28 63.311,113.03 66.294,113.03 67.818,111.506 75.946,111.506 76.327,111.887 78.867,111.887 80.772,109.982 89.662,109.982 R26.2@90.551,110.871
OLED_DC: OLED1.6 U1.50 | length 21.6
  Top Layer w0.152: v1(67.691,107.95) 67.691,106.529 U1.50
  Bottom Layer w0.152: v1(67.691,107.95) 68.326,108.585 68.326,120.142 70.231,122.047 71.755,122.047 OLED1.6
OLED_RST: OLED1.5 U1.49 | length 20.3
  Top Layer w0.152: v1(67.156,107.147) 67.183,107.12 67.183,106.33 U1.49
  Bottom Layer w0.152: v1(67.156,107.147) 67.156,108.304 67.818,108.966 67.818,120.65 OLED1.5
OLED_SCL: OLED1.3 U1.48 | length 19.1
  Top Layer w0.152: U1.48 66.675,106.076 v1(66.675,109.601)
  Bottom Layer w0.152: OLED1.3 66.675,122.555 v1(66.675,109.601)
OLED_SDA: OLED1.4 U1.46 | length 18.9
  Top Layer w0.152: U1.46 65.992,106.807 v1(65.992,107.775)
  Bottom Layer w0.152: v1(65.992,107.775) 67.31,109.093 67.31,122.682 OLED1.4
P3V3: Beep1.1 C9.2 C10.2 C11.2 C12.2 C21.1 D1.2 FB1.1 FB2.2 FB3.1 FB5.2 JP1.2 JP2.2 OLED1.2 Q2.2 R2.1 R3.1 R4.1 R5.1 R6.1 R7.1 R9.2 R11.1 R12.1 R13.2 R16.1 R17.1 U2.7 U2.8 UART.1 | length 22.5
  Top Layer w0.203: v1(99.435,121.291) 99.435,122.041 R16.1 R17.1
  Top Layer w0.254: v1(47.625,114.935) R11.1
  Top Layer w0.508: C12.2 55.668,118.195 56.382,118.195 Q2.2 56.623,118.049 56.769,117.903 v1(56.769,117.221) ; D1.2 77.499,110.617 v1(78.359,110.617) ; v3(84.836,108.966) 85.7,108.966 FB3.1 ; FB2.2 90.31,115.951 v3(91.059,115.951) ; v3(91.694,114.173) 92.138,114.617 92.926,114.617 FB5.2
  Bottom Layer w0.152: v1(29.845,104.14) R4.1 ; v1(32.131,101.092) R5.1 ; v1(33.909,106.553) R2.1 ; R7.1 v1(34.671,111.633) ; v1(37.283,101.439) 37.366,101.439 37.603,101.676 37.922,101.676 R6.1 ; FB1.1 FB1.1@50.178,119.126 ; R12.1 57.5,113.126 v1(58.039,113.665)
  Bottom Layer w0.254: v1(60.579,116.713) R13.2 ; R3.1 v1(102.489,108.331)
  Bottom Layer w0.508: FB1.1@50.178,119.126 v1(51.181,119.126) ; C21.1 v1(78.359,110.617) ; Beep1.1 86.757,119.126 87.503,119.872 v1(87.503,121.666) ; UART.1 98.76,104.775 v3(99.568,104.775)
  other v1: 41.402,123.063 42.418,123.063 41.91,123.571 41.402,124.079 42.418,124.079
P3V3_MCU: C14.1 C15.1 C18.1 C19.2 C20.2 FB4.2 Q2.3 U1.19 U3.1 | length 17.5
  Top Layer w0.254: Q2.3@59.182,118.938 62.23,118.938 ; v1(62.865,120.65) 62.865,120.595 62.763,120.493 62.763,119.852 62.611,119.7 U3.1 62.23,118.938 ; U1.19 63.767,118.938 62.23,118.938
  Top Layer w0.508: C18.1 58.683,121.911 58.683,120.408 58.928,120.163 Q2.3
  Bottom Layer w0.254: v1(62.865,120.65) 63.741,120.65 FB4.2 ; C19.2 FB4.2 ; C15.1 65.646,120.637 FB4.2
  Bottom Layer w0.508: C14.1 v3(58.674,120.777)
POWER: C7.2 C8.2 Energy1.2 Energy1.3 R8.2 U2.12 U2.13
PWR_IN: Energy1.1 VIN1.1
RST: R12.2 R14.2 RESET.1 | length 9.3
  Top Layer w0.152: RESET.1 55.517,107.95 v1(57.15,107.95)
  Bottom Layer w0.152: v1(57.15,107.95) 57.15,110.744 R14.2
RXD: D4.2 JP3.2 | length 4.2
  Top Layer w0.152: D4.2 96.901,112.649 JP3.2
TXD: JP3.3 R26.1 | length 5.6
  Top Layer w0.152: R26.1 93.472,109.728 JP3.3
UART4_RX: U1.58 UART.3 | length 29.4
  Top Layer w0.152: U1.58 73.244,106.632 v2(76.375,106.632)
  Bottom Layer w0.152: v2(76.375,106.632) 91.742,106.632 92.456,105.918 92.456,103.886 93.218,103.124 95.758,103.124 96.139,103.505 UART.3
UART4_TX: U1.59 UART.4 | length 25.9
  Top Layer w0.152: U1.59 73.437,107.147 v2(75.946,107.147)
  Bottom Layer w0.152: v2(75.946,107.147) 94.275,107.147 94.889,106.533 UART.4
VCAP: J2.4 U1.52 | length 14.5
  Top Layer w0.152: U1.52 70.994,104.64 75.446,104.64 76.962,103.124 80.899,103.124 81.26,103.485 J2.4
VCOIL: J2.5 U1.51 | length 16.5
  Top Layer w0.152: U1.51 70.787,104.14 75.438,104.14 76.954,102.624 81.923,102.624 82.51,103.211 J2.5
VREF: R15.2 U1.16 | length 3.8
  Top Layer w0.254: R15.2 67.882,117.919 67.912,117.919 U1.16
pads on no net: ADCs1.MP1 ADCs1.MP2 CCD1.g CCD1.MP2 J1.0 J2.MP1 J2.MP2 JP1.5 JP1.6 JP2.5 JP2.6 K3.0 PWM1.MP1 PWM1.MP2 U1.6 U1.9 U1.11 U1.18 U1.20 U1.22 U1.23 U1.24 U1.25 U1.30 U1.32 U1.39 U1.40 U1.41 U1.47 U1.61 U1.63 UART.MP1 UART.MP2
copper on no net:
  other v4: 33.333,103.945
  other v5: 36.02,106.632

## Polygon pours and split planes (outlines as drawn)
GND on Top Layer "GND_L01_P009" (solid, remove dead copper, pour order 9): 28.359,125.176 28.359,99.649 106.464,99.649 106.972,100.157 106.845,100.284 106.845,125.303
P3V3 on Top Layer "P3V3_L01_P005" (solid, pour order 5): 44.323,118.745 42.926,118.745 42.037,119.634 42.037,121.793 41.402,122.428 40.132,122.428 39.624,122.936 39.624,124.46 40.005,124.841 44.831,124.841 45.212,124.46 45.212,122.047 44.323,121.158
PWR_IN on Top Layer "PWR_IN_L01_P004" (solid, pour order 4): 41.91,104.013 41.529,103.632 41.529,101.854 41.91,101.473 45.974,101.473 46.99,100.457 48.26,100.457 48.514,100.711 48.514,103.505 48.006,104.013
POWER on Top Layer "POWER_L01_P003" (solid, pour order 3): 41.91,104.267 41.529,104.648 41.529,112.268 42.926,113.665 42.926,116.713 43.18,116.967 44.069,116.967 44.196,116.84 44.196,113.538 44.45,113.284 44.45,110.998 46.101,109.347 46.101,104.648 45.72,104.267
NetL1_1 on Top Layer "NETL1_1_L01_P001" (solid, pour order 1): 44.069,117.475 36.449,117.475 35.179,116.205 35.179,113.538 41.529,113.538 42.037,114.046 42.037,116.078 43.053,117.094 44.069,117.094
NetL1_2 on Top Layer "NETL1_2_L01_P000" (solid, pour order 0): 44.069,118.237 36.449,118.237 35.179,119.507 35.179,122.174 41.529,122.174 42.037,121.666 42.037,119.634 43.053,118.618 44.069,118.618
GND on Bottom Layer "GND_L04_P008" (solid, remove dead copper, pour order 8): 28.321,125.222 28.321,99.695 28.448,99.822 106.934,99.822 106.934,124.841 106.68,125.095
P3V3 on Bottom Layer "P3V3_L04_P006" (solid, pour order 6): 40.894,124.587 44.831,124.587 45.212,124.206 45.212,122.682 44.958,122.428 41.021,122.428 40.64,122.809 40.64,124.333
P3V3 on POWER "P3V3_L03_P007" (solid, pour order 7): 28.437,125.064 28.31,124.937 28.31,99.664 106.796,99.664 107.05,99.918 106.796,100.172 106.796,125.191
GND on GND (split plane): 106.065,100.332 29.085,100.332 29.085,124.312 106.065,124.312

## Keep-outs
Keep-Out Layer:
  the board outline again, w0.152

## Other copper
Top Layer:
  rectangle net GND: 45.593,118.618 46.863,120.015
  rectangle net GND: 44.831,115.443 45.974,116.713
  text "2020年杭电信工" at 87.249,102.108 h2.03
  text "TerayTech 2020" at 64.136,100.369 h1.52

## Silkscreen, mask and mechanical layers (free items; w line width, h text height)
Top Overlay:
  lines w0.203: 56.896,112.522 59.817,112.522 ; 59.182,111.887 59.817,112.522 ; 59.182,113.157 59.817,112.522
  lines w0.254: 32.258,115.951 32.766,116.459 ; 32.766,115.316 32.766,116.459 ; 33.274,115.951 32.766,116.459 ; 103.632,115.189 104.14,115.697 ; 104.14,114.554 104.14,115.697 ; 104.648,115.189 104.14,115.697
  text "まつり" at 92.329,119.761 h1.65
  text "全部175℃" at 71.121,119.579 h2.03
  text "ADCs" at 84.455,117.745 h1.78
  text "8小时高温烘烤" at 71.138,117.741 h2.03
  text "D" at 95.504,116.713 h10.16
  text "TaiChi 01" at 74.422,114.046 h3.81
  text "ENC L" at 28.939,113.61 h2.03
  text "ENC L" at 100.203,113.178 h2.03
  text "STC" at 53.343,113.001 h3.81
  text "高可靠质量保证" at 49.022,110.32 h2.03
  text "CCM" at 80.133,105.899 h2.03
  text "PWM" at 48.769,104.267 h2.03
  text "点火发射" at 92.837,103.759 h2.03
  text "E" at 86.868,102.997 h12.7
Bottom Overlay:
  text "太极生两仪，两仪生四象" at 51.816,113.03 h2.54
  text "GYRO" at 83.947,105.918 h2.03
  text "UART" at 105.656,104.858 h2.03
Top Solder:
  text "2020年杭电信工" at 87.249,102.108 h2.03
  text "TerayTech 2020" at 64.136,100.369 h1.52
Drill Drawing:
  text ".legend" at 112.141,100.457 h1.52